# KiCad board PANEL_DRY_ELECTRODES.kicad_pcb
title: ELectrodes; date: 2023-12-25; rev: 1.0; company: Aightech
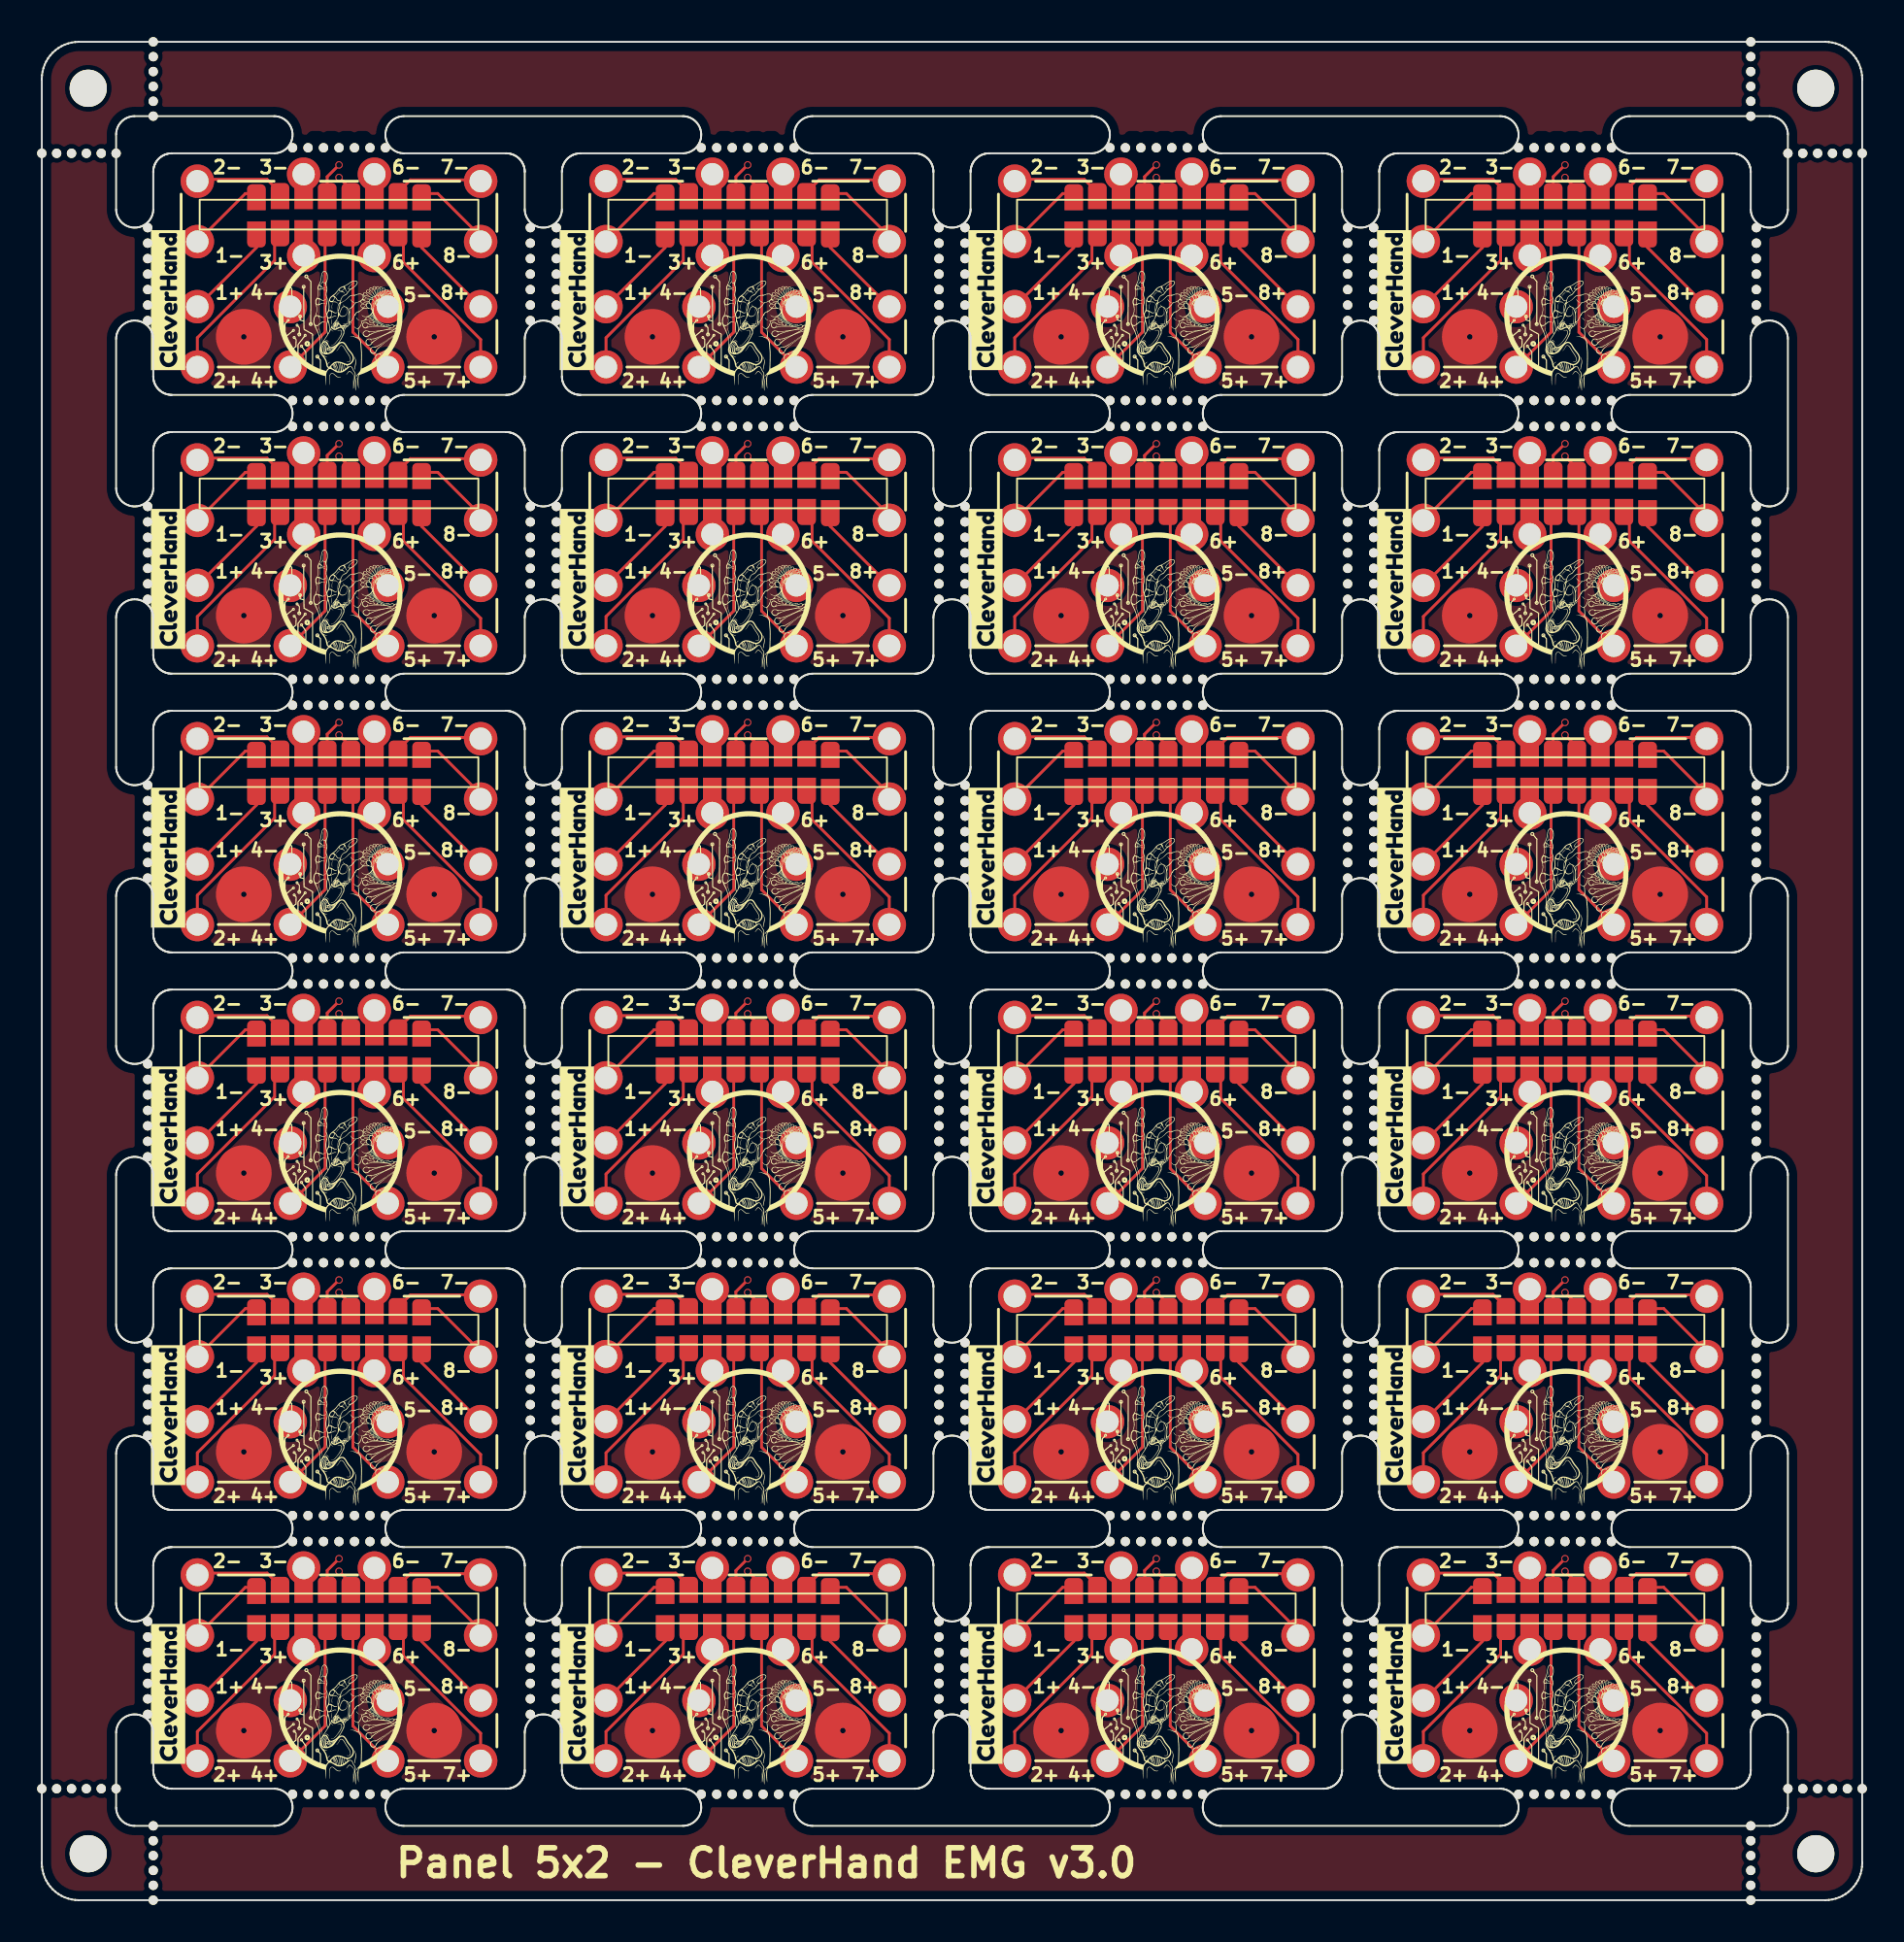
[diagram p0: board, top side]
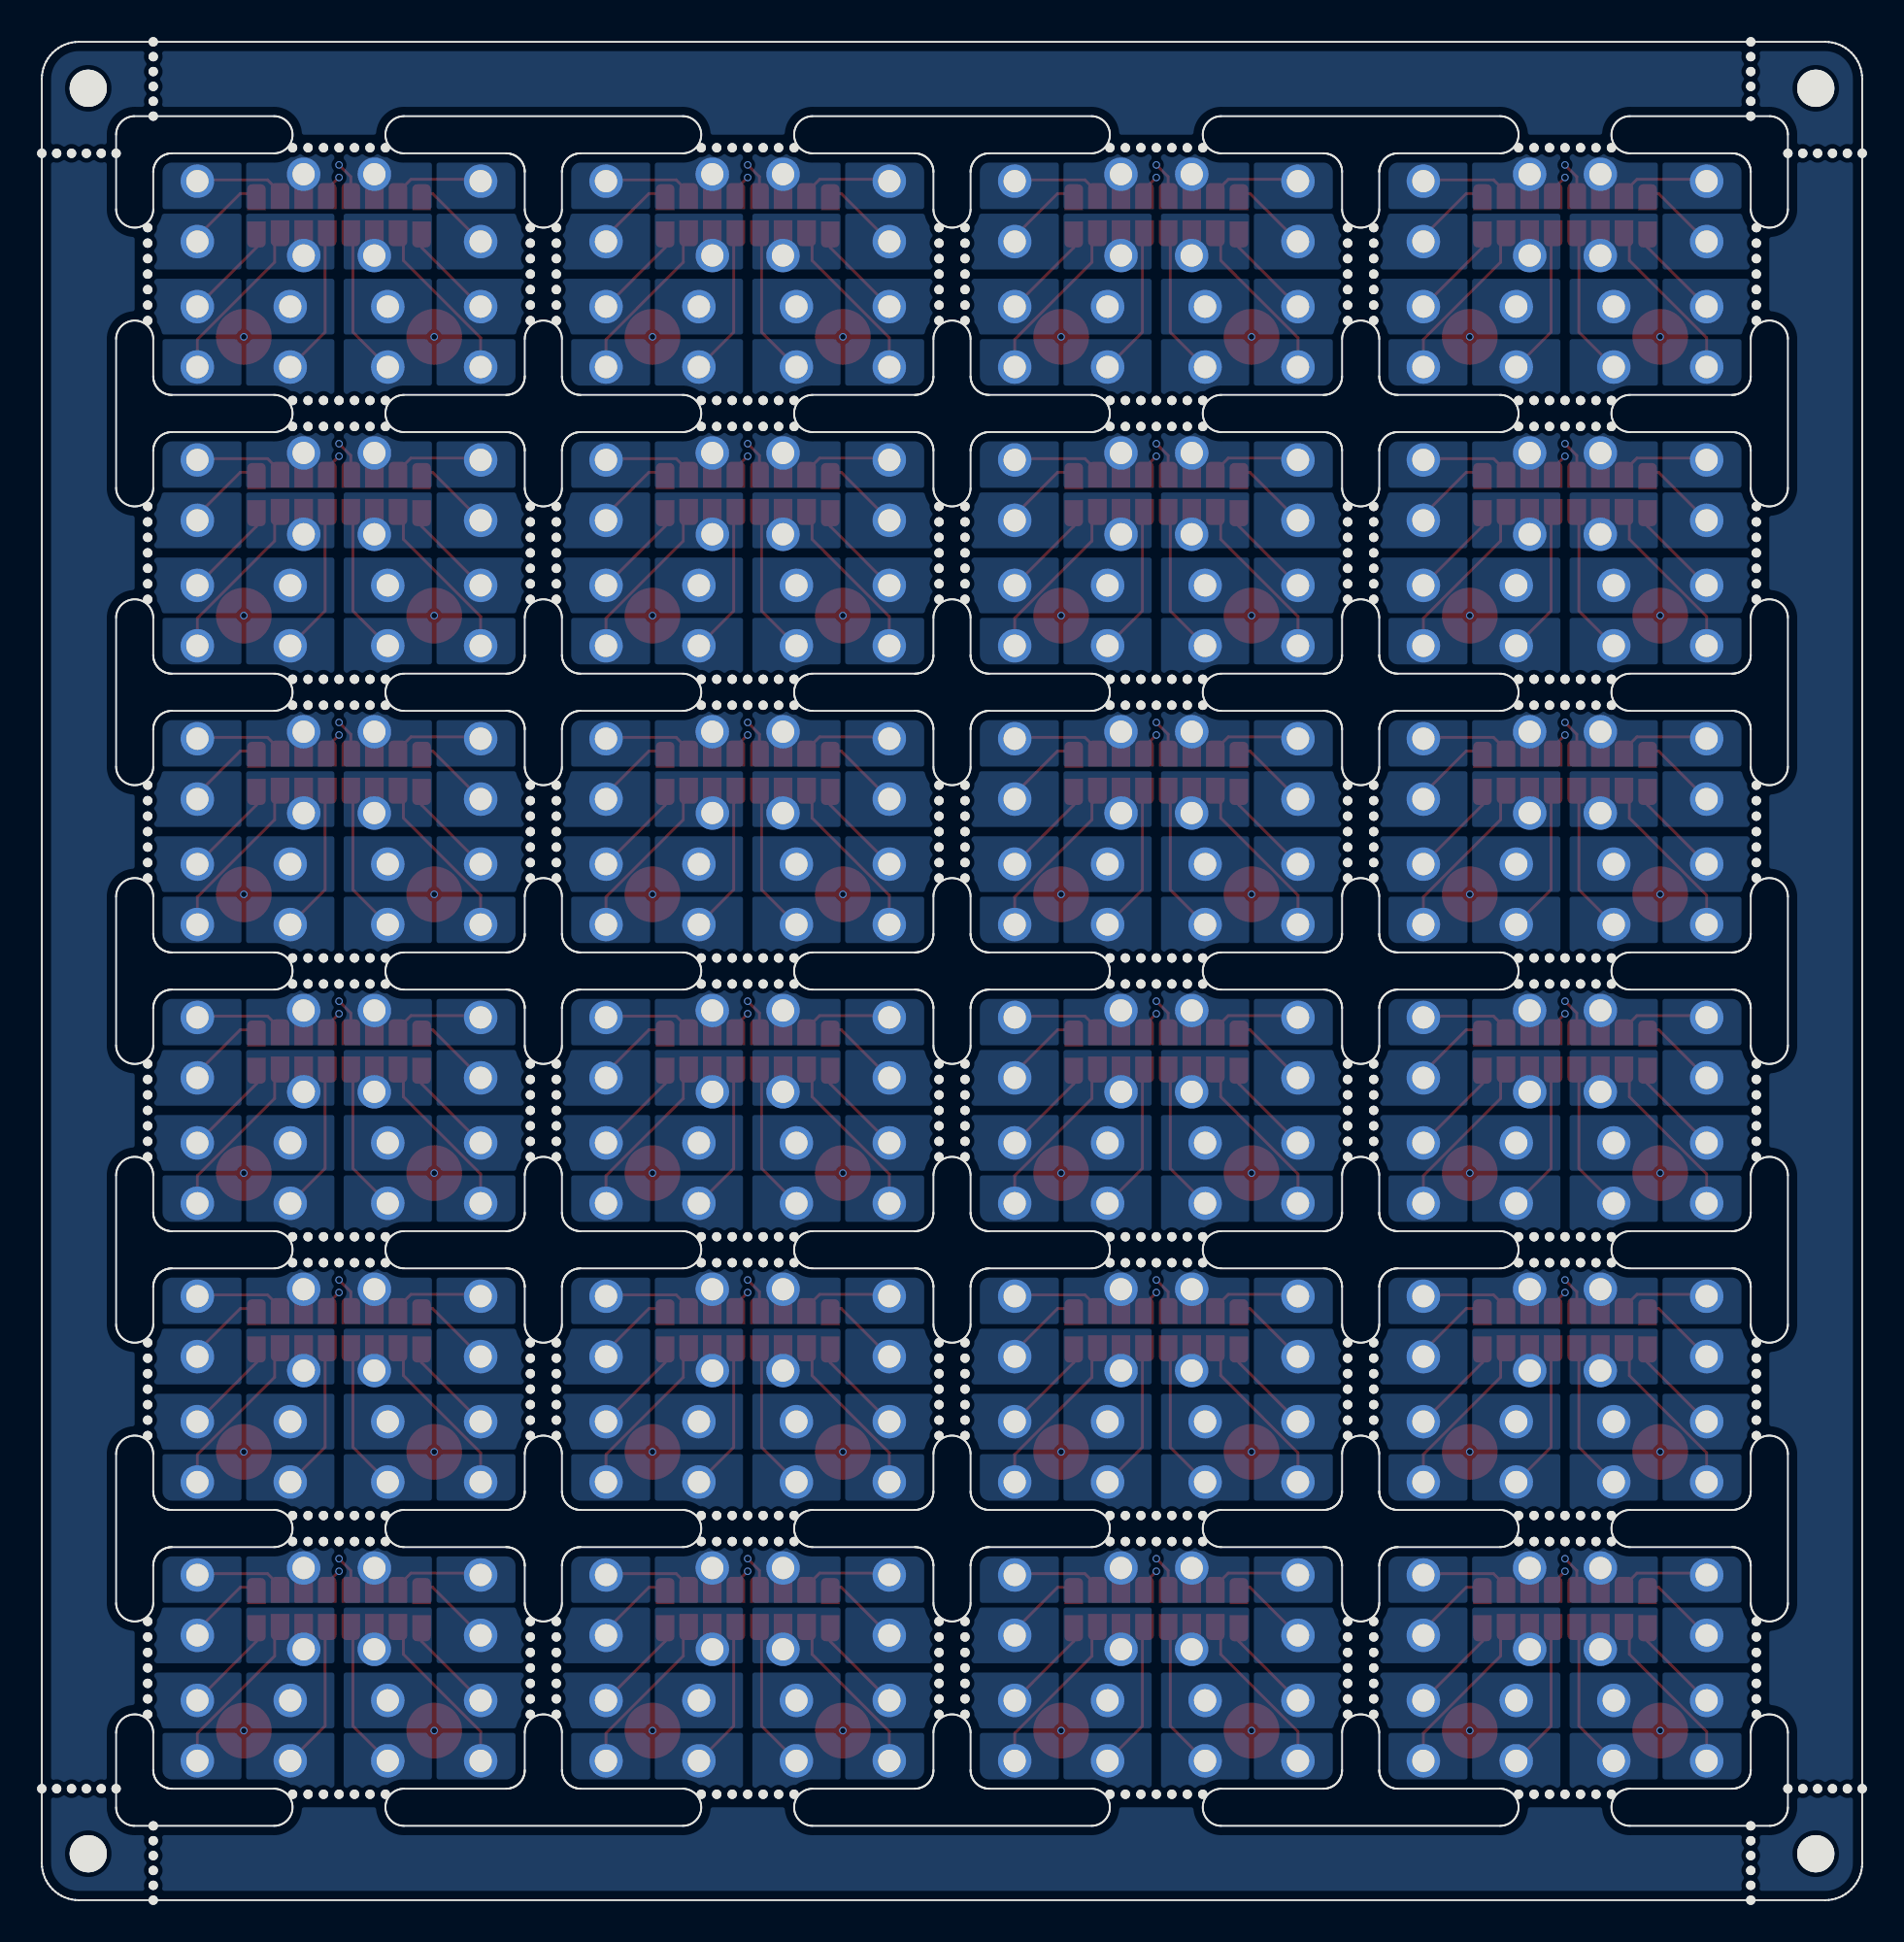
[diagram p1: board, bottom side, seen from below]

Outline 98 x 100 mm; copper layers: Top, In1.Cu, In2.Cu, Bottom. Coordinates in mm from the lower left corner of the outline.
Stack: Top 0.035mm / dielectric 0.1mm FR4 er 4.5 / In1.Cu 0.035mm / dielectric 0.44mm FR4 er 4.5 / In2.Cu 0.035mm / dielectric 0.1mm FR4 er 4.5 / Bottom 0.035mm

## Placement (name value [footprint] x y rotation side)
I3  smd_insert  [insert_1.2mm]  76.88 84.12 0 top
I3#2  smd_insert  [insert_1.2mm]  54.88 39.12 0 top
I3#3  smd_insert  [insert_1.2mm]  32.88 84.12 0 top
I3#4  smd_insert  [insert_1.2mm]  32.88 24.12 0 top
I3#5  smd_insert  [insert_1.2mm]  32.88 39.12 0 top
I3#6  smd_insert  [insert_1.2mm]  10.88 69.12 0 top
I3#7  smd_insert  [insert_1.2mm]  32.88 54.12 0 top
I3#8  smd_insert  [insert_1.2mm]  32.88 69.12 0 top
I3#9  smd_insert  [insert_1.2mm]  10.88 39.12 0 top
I3#10  smd_insert  [insert_1.2mm]  10.88 24.12 0 top
I3#11  smd_insert  [insert_1.2mm]  76.88 24.12 0 top
I3#12  smd_insert  [insert_1.2mm]  54.88 54.12 0 top
I3#13  smd_insert  [insert_1.2mm]  54.88 9.12 0 top
I3#14  smd_insert  [insert_1.2mm]  76.88 9.12 0 top
I3#15  smd_insert  [insert_1.2mm]  10.88 84.12 0 top
I3#16  smd_insert  [insert_1.2mm]  54.88 84.12 0 top
I3#17  smd_insert  [insert_1.2mm]  76.88 54.12 0 top
I3#18  smd_insert  [insert_1.2mm]  76.88 69.12 0 top
I3#19  smd_insert  [insert_1.2mm]  10.88 54.12 0 top
I3#20  smd_insert  [insert_1.2mm]  54.88 24.12 0 top
I3#21  smd_insert  [insert_1.2mm]  76.88 39.12 0 top
I3#22  smd_insert  [insert_1.2mm]  54.88 69.12 0 top
I3#23  smd_insert  [insert_1.2mm]  32.88 9.12 0 top
I3#24  smd_insert  [insert_1.2mm]  10.88 9.12 0 top
I4  smd_insert  [insert_1.2mm]  65.12 9.12 0 top
I4#2  smd_insert  [insert_1.2mm]  21.12 84.12 0 top
I4#3  smd_insert  [insert_1.2mm]  21.12 54.12 0 top
I4#4  smd_insert  [insert_1.2mm]  87.12 54.12 0 top
I4#5  smd_insert  [insert_1.2mm]  65.12 39.12 0 top
I4#6  smd_insert  [insert_1.2mm]  21.12 39.12 0 top
I4#7  smd_insert  [insert_1.2mm]  21.12 9.12 0 top
I4#8  smd_insert  [insert_1.2mm]  21.12 69.12 0 top
I4#9  smd_insert  [insert_1.2mm]  43.12 39.12 0 top
I4#10  smd_insert  [insert_1.2mm]  65.12 84.12 0 top
I4#11  smd_insert  [insert_1.2mm]  65.12 24.12 0 top
I4#12  smd_insert  [insert_1.2mm]  43.12 24.12 0 top
I4#13  smd_insert  [insert_1.2mm]  43.12 84.12 0 top
I4#14  smd_insert  [insert_1.2mm]  43.12 54.12 0 top
I4#15  smd_insert  [insert_1.2mm]  87.12 9.12 0 top
I4#16  smd_insert  [insert_1.2mm]  87.12 24.12 0 top
I4#17  smd_insert  [insert_1.2mm]  87.12 84.12 0 top
I4#18  smd_insert  [insert_1.2mm]  21.12 24.12 0 top
I4#19  smd_insert  [insert_1.2mm]  65.12 69.12 0 top
I4#20  smd_insert  [insert_1.2mm]  43.12 9.12 0 top
I4#21  smd_insert  [insert_1.2mm]  65.12 54.12 0 top
I4#22  smd_insert  [insert_1.2mm]  43.12 69.12 0 top
I4#23  smd_insert  [insert_1.2mm]  87.12 69.12 0 top
I4#24  smd_insert  [insert_1.2mm]  87.12 39.12 0 top
J1  Conn_01x01_Pin  [SolderWirePad_1x01_SMD_1x2mm]  55.55 61.34 0 top
J1#2  Conn_01x01_Pin  [SolderWirePad_1x01_SMD_1x2mm]  33.55 16.33 0 top
J1#3  Conn_01x01_Pin  [SolderWirePad_1x01_SMD_1x2mm]  33.55 46.34 0 top
J1#4  Conn_01x01_Pin  [SolderWirePad_1x01_SMD_1x2mm]  77.56 16.33 0 top
J1#5  Conn_01x01_Pin  [SolderWirePad_1x01_SMD_1x2mm]  33.55 61.34 0 top
J1#6  Conn_01x01_Pin  [SolderWirePad_1x01_SMD_1x2mm]  77.56 91.34 0 top
J1#7  Conn_01x01_Pin  [SolderWirePad_1x01_SMD_1x2mm]  77.56 61.34 0 top
J1#8  Conn_01x01_Pin  [SolderWirePad_1x01_SMD_1x2mm]  77.56 46.34 0 top
J1#9  Conn_01x01_Pin  [SolderWirePad_1x01_SMD_1x2mm]  33.55 76.34 0 top
J1#10  Conn_01x01_Pin  [SolderWirePad_1x01_SMD_1x2mm]  55.55 91.34 0 top
J1#11  Conn_01x01_Pin  [SolderWirePad_1x01_SMD_1x2mm]  77.56 76.34 0 top
J1#12  Conn_01x01_Pin  [SolderWirePad_1x01_SMD_1x2mm]  11.55 46.34 0 top
J1#13  Conn_01x01_Pin  [SolderWirePad_1x01_SMD_1x2mm]  33.55 91.34 0 top
J1#14  Conn_01x01_Pin  [SolderWirePad_1x01_SMD_1x2mm]  11.55 16.33 0 top
J1#15  Conn_01x01_Pin  [SolderWirePad_1x01_SMD_1x2mm]  55.55 16.33 0 top
J1#16  Conn_01x01_Pin  [SolderWirePad_1x01_SMD_1x2mm]  33.55 31.33 0 top
J1#17  Conn_01x01_Pin  [SolderWirePad_1x01_SMD_1x2mm]  11.55 31.33 0 top
J1#18  Conn_01x01_Pin  [SolderWirePad_1x01_SMD_1x2mm]  11.55 76.34 0 top
J1#19  Conn_01x01_Pin  [SolderWirePad_1x01_SMD_1x2mm]  55.55 46.34 0 top
J1#20  Conn_01x01_Pin  [SolderWirePad_1x01_SMD_1x2mm]  55.55 31.33 0 top
J1#21  Conn_01x01_Pin  [SolderWirePad_1x01_SMD_1x2mm]  11.55 61.34 0 top
J1#22  Conn_01x01_Pin  [SolderWirePad_1x01_SMD_1x2mm]  11.55 91.34 0 top
J1#23  Conn_01x01_Pin  [SolderWirePad_1x01_SMD_1x2mm]  77.56 31.33 0 top
J1#24  Conn_01x01_Pin  [SolderWirePad_1x01_SMD_1x2mm]  55.55 76.34 0 top
J2  Conn_01x01_Pin  [SolderWirePad_1x01_SMD_1x2mm]  34.83 31.4 0 top
J2#2  Conn_01x01_Pin  [SolderWirePad_1x01_SMD_1x2mm]  56.83 76.4 0 top
J2#3  Conn_01x01_Pin  [SolderWirePad_1x01_SMD_1x2mm]  78.83 61.4 0 top
J2#4  Conn_01x01_Pin  [SolderWirePad_1x01_SMD_1x2mm]  34.83 46.4 0 top
J2#5  Conn_01x01_Pin  [SolderWirePad_1x01_SMD_1x2mm]  56.83 31.4 0 top
J2#6  Conn_01x01_Pin  [SolderWirePad_1x01_SMD_1x2mm]  12.83 16.4 0 top
J2#7  Conn_01x01_Pin  [SolderWirePad_1x01_SMD_1x2mm]  78.83 76.4 0 top
J2#8  Conn_01x01_Pin  [SolderWirePad_1x01_SMD_1x2mm]  34.83 91.4 0 top
J2#9  Conn_01x01_Pin  [SolderWirePad_1x01_SMD_1x2mm]  56.83 46.4 0 top
J2#10  Conn_01x01_Pin  [SolderWirePad_1x01_SMD_1x2mm]  78.83 31.4 0 top
J2#11  Conn_01x01_Pin  [SolderWirePad_1x01_SMD_1x2mm]  12.83 91.4 0 top
J2#12  Conn_01x01_Pin  [SolderWirePad_1x01_SMD_1x2mm]  56.83 61.4 0 top
J2#13  Conn_01x01_Pin  [SolderWirePad_1x01_SMD_1x2mm]  34.83 76.4 0 top
J2#14  Conn_01x01_Pin  [SolderWirePad_1x01_SMD_1x2mm]  12.83 31.4 0 top
J2#15  Conn_01x01_Pin  [SolderWirePad_1x01_SMD_1x2mm]  78.83 16.4 0 top
J2#16  Conn_01x01_Pin  [SolderWirePad_1x01_SMD_1x2mm]  78.83 46.4 0 top
J2#17  Conn_01x01_Pin  [SolderWirePad_1x01_SMD_1x2mm]  12.83 46.4 0 top
J2#18  Conn_01x01_Pin  [SolderWirePad_1x01_SMD_1x2mm]  56.83 16.4 0 top
J2#19  Conn_01x01_Pin  [SolderWirePad_1x01_SMD_1x2mm]  34.83 16.4 0 top
J2#20  Conn_01x01_Pin  [SolderWirePad_1x01_SMD_1x2mm]  12.83 76.4 0 top
J2#21  Conn_01x01_Pin  [SolderWirePad_1x01_SMD_1x2mm]  12.83 61.4 0 top
J2#22  Conn_01x01_Pin  [SolderWirePad_1x01_SMD_1x2mm]  34.83 61.4 0 top
J2#23  Conn_01x01_Pin  [SolderWirePad_1x01_SMD_1x2mm]  78.83 91.4 0 top
J2#24  Conn_01x01_Pin  [SolderWirePad_1x01_SMD_1x2mm]  56.83 91.4 0 top
J3  Conn_01x01_Pin  [SolderWirePad_1x01_SMD_1x2mm]  58.09 31.4 0 top
J3#2  Conn_01x01_Pin  [SolderWirePad_1x01_SMD_1x2mm]  36.09 76.4 0 top
J3#3  Conn_01x01_Pin  [SolderWirePad_1x01_SMD_1x2mm]  58.09 91.4 0 top
J3#4  Conn_01x01_Pin  [SolderWirePad_1x01_SMD_1x2mm]  14.09 16.4 0 top
J3#5  Conn_01x01_Pin  [SolderWirePad_1x01_SMD_1x2mm]  14.09 46.4 0 top
J3#6  Conn_01x01_Pin  [SolderWirePad_1x01_SMD_1x2mm]  80.09 16.4 0 top
J3#7  Conn_01x01_Pin  [SolderWirePad_1x01_SMD_1x2mm]  80.09 61.4 0 top
J3#8  Conn_01x01_Pin  [SolderWirePad_1x01_SMD_1x2mm]  58.09 61.4 0 top
J3#9  Conn_01x01_Pin  [SolderWirePad_1x01_SMD_1x2mm]  14.09 91.4 0 top
J3#10  Conn_01x01_Pin  [SolderWirePad_1x01_SMD_1x2mm]  80.09 31.4 0 top
J3#11  Conn_01x01_Pin  [SolderWirePad_1x01_SMD_1x2mm]  14.09 61.4 0 top
J3#12  Conn_01x01_Pin  [SolderWirePad_1x01_SMD_1x2mm]  14.09 31.4 0 top
J3#13  Conn_01x01_Pin  [SolderWirePad_1x01_SMD_1x2mm]  36.09 46.4 0 top
J3#14  Conn_01x01_Pin  [SolderWirePad_1x01_SMD_1x2mm]  58.09 16.4 0 top
J3#15  Conn_01x01_Pin  [SolderWirePad_1x01_SMD_1x2mm]  36.09 61.4 0 top
J3#16  Conn_01x01_Pin  [SolderWirePad_1x01_SMD_1x2mm]  80.09 46.4 0 top
J3#17  Conn_01x01_Pin  [SolderWirePad_1x01_SMD_1x2mm]  80.09 76.4 0 top
J3#18  Conn_01x01_Pin  [SolderWirePad_1x01_SMD_1x2mm]  36.09 31.4 0 top
J3#19  Conn_01x01_Pin  [SolderWirePad_1x01_SMD_1x2mm]  14.09 76.4 0 top
J3#20  Conn_01x01_Pin  [SolderWirePad_1x01_SMD_1x2mm]  58.09 46.4 0 top
J3#21  Conn_01x01_Pin  [SolderWirePad_1x01_SMD_1x2mm]  80.09 91.4 0 top
J3#22  Conn_01x01_Pin  [SolderWirePad_1x01_SMD_1x2mm]  58.09 76.4 0 top
J3#23  Conn_01x01_Pin  [SolderWirePad_1x01_SMD_1x2mm]  36.09 91.4 0 top
J3#24  Conn_01x01_Pin  [SolderWirePad_1x01_SMD_1x2mm]  36.09 16.4 0 top
J4  Conn_01x01_Pin  [SolderWirePad_1x01_SMD_1x2mm]  59.37 61.4 0 top
J4#2  Conn_01x01_Pin  [SolderWirePad_1x01_SMD_1x2mm]  59.37 91.4 0 top
J4#3  Conn_01x01_Pin  [SolderWirePad_1x01_SMD_1x2mm]  59.37 46.4 0 top
J4#4  Conn_01x01_Pin  [SolderWirePad_1x01_SMD_1x2mm]  59.37 31.4 0 top
J4#5  Conn_01x01_Pin  [SolderWirePad_1x01_SMD_1x2mm]  37.37 16.4 0 top
J4#6  Conn_01x01_Pin  [SolderWirePad_1x01_SMD_1x2mm]  15.37 91.4 0 top
J4#7  Conn_01x01_Pin  [SolderWirePad_1x01_SMD_1x2mm]  15.37 46.4 0 top
J4#8  Conn_01x01_Pin  [SolderWirePad_1x01_SMD_1x2mm]  15.37 76.4 0 top
J4#9  Conn_01x01_Pin  [SolderWirePad_1x01_SMD_1x2mm]  81.37 61.4 0 top
J4#10  Conn_01x01_Pin  [SolderWirePad_1x01_SMD_1x2mm]  59.37 76.4 0 top
J4#11  Conn_01x01_Pin  [SolderWirePad_1x01_SMD_1x2mm]  15.37 16.4 0 top
J4#12  Conn_01x01_Pin  [SolderWirePad_1x01_SMD_1x2mm]  37.37 91.4 0 top
J4#13  Conn_01x01_Pin  [SolderWirePad_1x01_SMD_1x2mm]  81.37 46.4 0 top
J4#14  Conn_01x01_Pin  [SolderWirePad_1x01_SMD_1x2mm]  59.37 16.4 0 top
J4#15  Conn_01x01_Pin  [SolderWirePad_1x01_SMD_1x2mm]  15.37 31.4 0 top
J4#16  Conn_01x01_Pin  [SolderWirePad_1x01_SMD_1x2mm]  81.37 16.4 0 top
J4#17  Conn_01x01_Pin  [SolderWirePad_1x01_SMD_1x2mm]  81.37 31.4 0 top
J4#18  Conn_01x01_Pin  [SolderWirePad_1x01_SMD_1x2mm]  37.37 31.4 0 top
J4#19  Conn_01x01_Pin  [SolderWirePad_1x01_SMD_1x2mm]  37.37 61.4 0 top
J4#20  Conn_01x01_Pin  [SolderWirePad_1x01_SMD_1x2mm]  37.37 76.4 0 top
J4#21  Conn_01x01_Pin  [SolderWirePad_1x01_SMD_1x2mm]  81.37 76.4 0 top
J4#22  Conn_01x01_Pin  [SolderWirePad_1x01_SMD_1x2mm]  37.37 46.4 0 top
J4#23  Conn_01x01_Pin  [SolderWirePad_1x01_SMD_1x2mm]  15.37 61.4 0 top
J4#24  Conn_01x01_Pin  [SolderWirePad_1x01_SMD_1x2mm]  81.37 91.4 0 top
J5  Conn_01x01_Pin  [SolderWirePad_1x01_SMD_1x2mm]  16.63 16.4 0 top
J5#2  Conn_01x01_Pin  [SolderWirePad_1x01_SMD_1x2mm]  82.63 16.4 0 top
J5#3  Conn_01x01_Pin  [SolderWirePad_1x01_SMD_1x2mm]  16.63 46.4 0 top
J5#4  Conn_01x01_Pin  [SolderWirePad_1x01_SMD_1x2mm]  16.63 31.4 0 top
J5#5  Conn_01x01_Pin  [SolderWirePad_1x01_SMD_1x2mm]  38.63 31.4 0 top
J5#6  Conn_01x01_Pin  [SolderWirePad_1x01_SMD_1x2mm]  38.63 16.4 0 top
J5#7  Conn_01x01_Pin  [SolderWirePad_1x01_SMD_1x2mm]  16.63 76.4 0 top
J5#8  Conn_01x01_Pin  [SolderWirePad_1x01_SMD_1x2mm]  60.63 61.4 0 top
J5#9  Conn_01x01_Pin  [SolderWirePad_1x01_SMD_1x2mm]  38.63 46.4 0 top
J5#10  Conn_01x01_Pin  [SolderWirePad_1x01_SMD_1x2mm]  38.63 61.4 0 top
J5#11  Conn_01x01_Pin  [SolderWirePad_1x01_SMD_1x2mm]  82.63 61.4 0 top
J5#12  Conn_01x01_Pin  [SolderWirePad_1x01_SMD_1x2mm]  82.63 46.4 0 top
J5#13  Conn_01x01_Pin  [SolderWirePad_1x01_SMD_1x2mm]  82.63 76.4 0 top
J5#14  Conn_01x01_Pin  [SolderWirePad_1x01_SMD_1x2mm]  82.63 91.4 0 top
J5#15  Conn_01x01_Pin  [SolderWirePad_1x01_SMD_1x2mm]  60.63 31.4 0 top
J5#16  Conn_01x01_Pin  [SolderWirePad_1x01_SMD_1x2mm]  38.63 91.4 0 top
J5#17  Conn_01x01_Pin  [SolderWirePad_1x01_SMD_1x2mm]  82.63 31.4 0 top
J5#18  Conn_01x01_Pin  [SolderWirePad_1x01_SMD_1x2mm]  16.63 61.4 0 top
J5#19  Conn_01x01_Pin  [SolderWirePad_1x01_SMD_1x2mm]  60.63 91.4 0 top
J5#20  Conn_01x01_Pin  [SolderWirePad_1x01_SMD_1x2mm]  60.63 46.4 0 top
J5#21  Conn_01x01_Pin  [SolderWirePad_1x01_SMD_1x2mm]  60.63 16.4 0 top
J5#22  Conn_01x01_Pin  [SolderWirePad_1x01_SMD_1x2mm]  60.63 76.4 0 top
J5#23  Conn_01x01_Pin  [SolderWirePad_1x01_SMD_1x2mm]  16.63 91.4 0 top
J5#24  Conn_01x01_Pin  [SolderWirePad_1x01_SMD_1x2mm]  38.63 76.4 0 top
J6  Conn_01x01_Pin  [SolderWirePad_1x01_SMD_1x2mm]  39.91 91.4 0 top
J6#2  Conn_01x01_Pin  [SolderWirePad_1x01_SMD_1x2mm]  83.91 46.4 0 top
J6#3  Conn_01x01_Pin  [SolderWirePad_1x01_SMD_1x2mm]  83.91 31.4 0 top
J6#4  Conn_01x01_Pin  [SolderWirePad_1x01_SMD_1x2mm]  61.91 91.4 0 top
J6#5  Conn_01x01_Pin  [SolderWirePad_1x01_SMD_1x2mm]  61.91 76.4 0 top
J6#6  Conn_01x01_Pin  [SolderWirePad_1x01_SMD_1x2mm]  83.91 76.4 0 top
J6#7  Conn_01x01_Pin  [SolderWirePad_1x01_SMD_1x2mm]  39.91 61.4 0 top
J6#8  Conn_01x01_Pin  [SolderWirePad_1x01_SMD_1x2mm]  39.91 16.4 0 top
J6#9  Conn_01x01_Pin  [SolderWirePad_1x01_SMD_1x2mm]  83.91 61.4 0 top
J6#10  Conn_01x01_Pin  [SolderWirePad_1x01_SMD_1x2mm]  39.91 46.4 0 top
J6#11  Conn_01x01_Pin  [SolderWirePad_1x01_SMD_1x2mm]  17.91 91.4 0 top
J6#12  Conn_01x01_Pin  [SolderWirePad_1x01_SMD_1x2mm]  17.91 61.4 0 top
J6#13  Conn_01x01_Pin  [SolderWirePad_1x01_SMD_1x2mm]  83.91 91.4 0 top
J6#14  Conn_01x01_Pin  [SolderWirePad_1x01_SMD_1x2mm]  17.91 76.4 0 top
J6#15  Conn_01x01_Pin  [SolderWirePad_1x01_SMD_1x2mm]  17.91 16.4 0 top
J6#16  Conn_01x01_Pin  [SolderWirePad_1x01_SMD_1x2mm]  17.91 46.4 0 top
J6#17  Conn_01x01_Pin  [SolderWirePad_1x01_SMD_1x2mm]  39.91 31.4 0 top
J6#18  Conn_01x01_Pin  [SolderWirePad_1x01_SMD_1x2mm]  39.91 76.4 0 top
J6#19  Conn_01x01_Pin  [SolderWirePad_1x01_SMD_1x2mm]  61.91 31.4 0 top
J6#20  Conn_01x01_Pin  [SolderWirePad_1x01_SMD_1x2mm]  83.91 16.4 0 top
J6#21  Conn_01x01_Pin  [SolderWirePad_1x01_SMD_1x2mm]  61.91 16.4 0 top
J6#22  Conn_01x01_Pin  [SolderWirePad_1x01_SMD_1x2mm]  17.91 31.4 0 top
J6#23  Conn_01x01_Pin  [SolderWirePad_1x01_SMD_1x2mm]  61.91 61.4 0 top
J6#24  Conn_01x01_Pin  [SolderWirePad_1x01_SMD_1x2mm]  61.91 46.4 0 top
J7  Conn_01x01_Pin  [SolderWirePad_1x01_SMD_1x2mm]  85.17 61.4 0 top
J7#2  Conn_01x01_Pin  [SolderWirePad_1x01_SMD_1x2mm]  41.17 46.4 0 top
J7#3  Conn_01x01_Pin  [SolderWirePad_1x01_SMD_1x2mm]  19.18 91.4 0 top
J7#4  Conn_01x01_Pin  [SolderWirePad_1x01_SMD_1x2mm]  41.17 31.4 0 top
J7#5  Conn_01x01_Pin  [SolderWirePad_1x01_SMD_1x2mm]  19.18 61.4 0 top
J7#6  Conn_01x01_Pin  [SolderWirePad_1x01_SMD_1x2mm]  63.17 31.4 0 top
J7#7  Conn_01x01_Pin  [SolderWirePad_1x01_SMD_1x2mm]  41.17 16.4 0 top
J7#8  Conn_01x01_Pin  [SolderWirePad_1x01_SMD_1x2mm]  63.17 61.4 0 top
J7#9  Conn_01x01_Pin  [SolderWirePad_1x01_SMD_1x2mm]  85.17 16.4 0 top
J7#10  Conn_01x01_Pin  [SolderWirePad_1x01_SMD_1x2mm]  63.17 46.4 0 top
J7#11  Conn_01x01_Pin  [SolderWirePad_1x01_SMD_1x2mm]  63.17 16.4 0 top
J7#12  Conn_01x01_Pin  [SolderWirePad_1x01_SMD_1x2mm]  85.17 91.4 0 top
J7#13  Conn_01x01_Pin  [SolderWirePad_1x01_SMD_1x2mm]  41.17 61.4 0 top
J7#14  Conn_01x01_Pin  [SolderWirePad_1x01_SMD_1x2mm]  41.17 76.4 0 top
J7#15  Conn_01x01_Pin  [SolderWirePad_1x01_SMD_1x2mm]  19.18 76.4 0 top
J7#16  Conn_01x01_Pin  [SolderWirePad_1x01_SMD_1x2mm]  19.18 31.4 0 top
J7#17  Conn_01x01_Pin  [SolderWirePad_1x01_SMD_1x2mm]  63.17 76.4 0 top
J7#18  Conn_01x01_Pin  [SolderWirePad_1x01_SMD_1x2mm]  85.17 76.4 0 top
J7#19  Conn_01x01_Pin  [SolderWirePad_1x01_SMD_1x2mm]  19.18 46.4 0 top
J7#20  Conn_01x01_Pin  [SolderWirePad_1x01_SMD_1x2mm]  85.17 31.4 0 top
J7#21  Conn_01x01_Pin  [SolderWirePad_1x01_SMD_1x2mm]  41.17 91.4 0 top
J7#22  Conn_01x01_Pin  [SolderWirePad_1x01_SMD_1x2mm]  63.17 91.4 0 top
J7#23  Conn_01x01_Pin  [SolderWirePad_1x01_SMD_1x2mm]  85.17 46.4 0 top
J7#24  Conn_01x01_Pin  [SolderWirePad_1x01_SMD_1x2mm]  19.18 16.4 0 top
J8  Conn_01x01_Pin  [SolderWirePad_1x01_SMD_1x2mm]  86.44 16.33 0 top
J8#2  Conn_01x01_Pin  [SolderWirePad_1x01_SMD_1x2mm]  20.45 76.34 0 top
J8#3  Conn_01x01_Pin  [SolderWirePad_1x01_SMD_1x2mm]  42.45 61.34 0 top
J8#4  Conn_01x01_Pin  [SolderWirePad_1x01_SMD_1x2mm]  86.44 61.34 0 top
J8#5  Conn_01x01_Pin  [SolderWirePad_1x01_SMD_1x2mm]  42.45 91.34 0 top
J8#6  Conn_01x01_Pin  [SolderWirePad_1x01_SMD_1x2mm]  64.44 91.34 0 top
J8#7  Conn_01x01_Pin  [SolderWirePad_1x01_SMD_1x2mm]  64.44 31.33 0 top
J8#8  Conn_01x01_Pin  [SolderWirePad_1x01_SMD_1x2mm]  86.44 46.34 0 top
J8#9  Conn_01x01_Pin  [SolderWirePad_1x01_SMD_1x2mm]  42.45 16.33 0 top
J8#10  Conn_01x01_Pin  [SolderWirePad_1x01_SMD_1x2mm]  20.45 16.33 0 top
J8#11  Conn_01x01_Pin  [SolderWirePad_1x01_SMD_1x2mm]  20.45 31.33 0 top
J8#12  Conn_01x01_Pin  [SolderWirePad_1x01_SMD_1x2mm]  86.44 76.34 0 top
J8#13  Conn_01x01_Pin  [SolderWirePad_1x01_SMD_1x2mm]  20.45 61.34 0 top
J8#14  Conn_01x01_Pin  [SolderWirePad_1x01_SMD_1x2mm]  42.45 46.34 0 top
J8#15  Conn_01x01_Pin  [SolderWirePad_1x01_SMD_1x2mm]  42.45 76.34 0 top
J8#16  Conn_01x01_Pin  [SolderWirePad_1x01_SMD_1x2mm]  42.45 31.33 0 top
J8#17  Conn_01x01_Pin  [SolderWirePad_1x01_SMD_1x2mm]  64.44 46.34 0 top
J8#18  Conn_01x01_Pin  [SolderWirePad_1x01_SMD_1x2mm]  86.44 31.33 0 top
J8#19  Conn_01x01_Pin  [SolderWirePad_1x01_SMD_1x2mm]  20.45 91.34 0 top
J8#20  Conn_01x01_Pin  [SolderWirePad_1x01_SMD_1x2mm]  64.44 61.34 0 top
J8#21  Conn_01x01_Pin  [SolderWirePad_1x01_SMD_1x2mm]  64.44 76.34 0 top
J8#22  Conn_01x01_Pin  [SolderWirePad_1x01_SMD_1x2mm]  64.44 16.33 0 top
J8#23  Conn_01x01_Pin  [SolderWirePad_1x01_SMD_1x2mm]  20.45 46.34 0 top
J8#24  Conn_01x01_Pin  [SolderWirePad_1x01_SMD_1x2mm]  86.44 91.34 0 top
J9  Conn_01x01_Pin  [SolderWirePad_1x01_SMD_1x2mm]  77.56 89.94 180 top
J9#2  Conn_01x01_Pin  [SolderWirePad_1x01_SMD_1x2mm]  11.55 44.94 180 top
J9#3  Conn_01x01_Pin  [SolderWirePad_1x01_SMD_1x2mm]  55.55 29.94 180 top
J9#4  Conn_01x01_Pin  [SolderWirePad_1x01_SMD_1x2mm]  55.55 44.94 180 top
J9#5  Conn_01x01_Pin  [SolderWirePad_1x01_SMD_1x2mm]  33.55 59.94 180 top
J9#6  Conn_01x01_Pin  [SolderWirePad_1x01_SMD_1x2mm]  33.55 14.94 180 top
J9#7  Conn_01x01_Pin  [SolderWirePad_1x01_SMD_1x2mm]  11.55 74.94 180 top
J9#8  Conn_01x01_Pin  [SolderWirePad_1x01_SMD_1x2mm]  77.56 14.94 180 top
J9#9  Conn_01x01_Pin  [SolderWirePad_1x01_SMD_1x2mm]  33.55 44.94 180 top
J9#10  Conn_01x01_Pin  [SolderWirePad_1x01_SMD_1x2mm]  55.55 14.94 180 top
J9#11  Conn_01x01_Pin  [SolderWirePad_1x01_SMD_1x2mm]  33.55 74.94 180 top
J9#12  Conn_01x01_Pin  [SolderWirePad_1x01_SMD_1x2mm]  11.55 14.94 180 top
J9#13  Conn_01x01_Pin  [SolderWirePad_1x01_SMD_1x2mm]  55.55 89.94 180 top
J9#14  Conn_01x01_Pin  [SolderWirePad_1x01_SMD_1x2mm]  77.56 59.94 180 top
J9#15  Conn_01x01_Pin  [SolderWirePad_1x01_SMD_1x2mm]  55.55 59.94 180 top
J9#16  Conn_01x01_Pin  [SolderWirePad_1x01_SMD_1x2mm]  77.56 44.94 180 top
J9#17  Conn_01x01_Pin  [SolderWirePad_1x01_SMD_1x2mm]  11.55 29.94 180 top
J9#18  Conn_01x01_Pin  [SolderWirePad_1x01_SMD_1x2mm]  77.56 29.94 180 top
J9#19  Conn_01x01_Pin  [SolderWirePad_1x01_SMD_1x2mm]  11.55 59.94 180 top
J9#20  Conn_01x01_Pin  [SolderWirePad_1x01_SMD_1x2mm]  33.55 29.94 180 top
J9#21  Conn_01x01_Pin  [SolderWirePad_1x01_SMD_1x2mm]  11.55 89.94 180 top
J9#22  Conn_01x01_Pin  [SolderWirePad_1x01_SMD_1x2mm]  77.56 74.94 180 top
J9#23  Conn_01x01_Pin  [SolderWirePad_1x01_SMD_1x2mm]  55.55 74.94 180 top
J9#24  Conn_01x01_Pin  [SolderWirePad_1x01_SMD_1x2mm]  33.55 89.94 180 top